# KiCad board RASBB.kicad_pcb (continued)
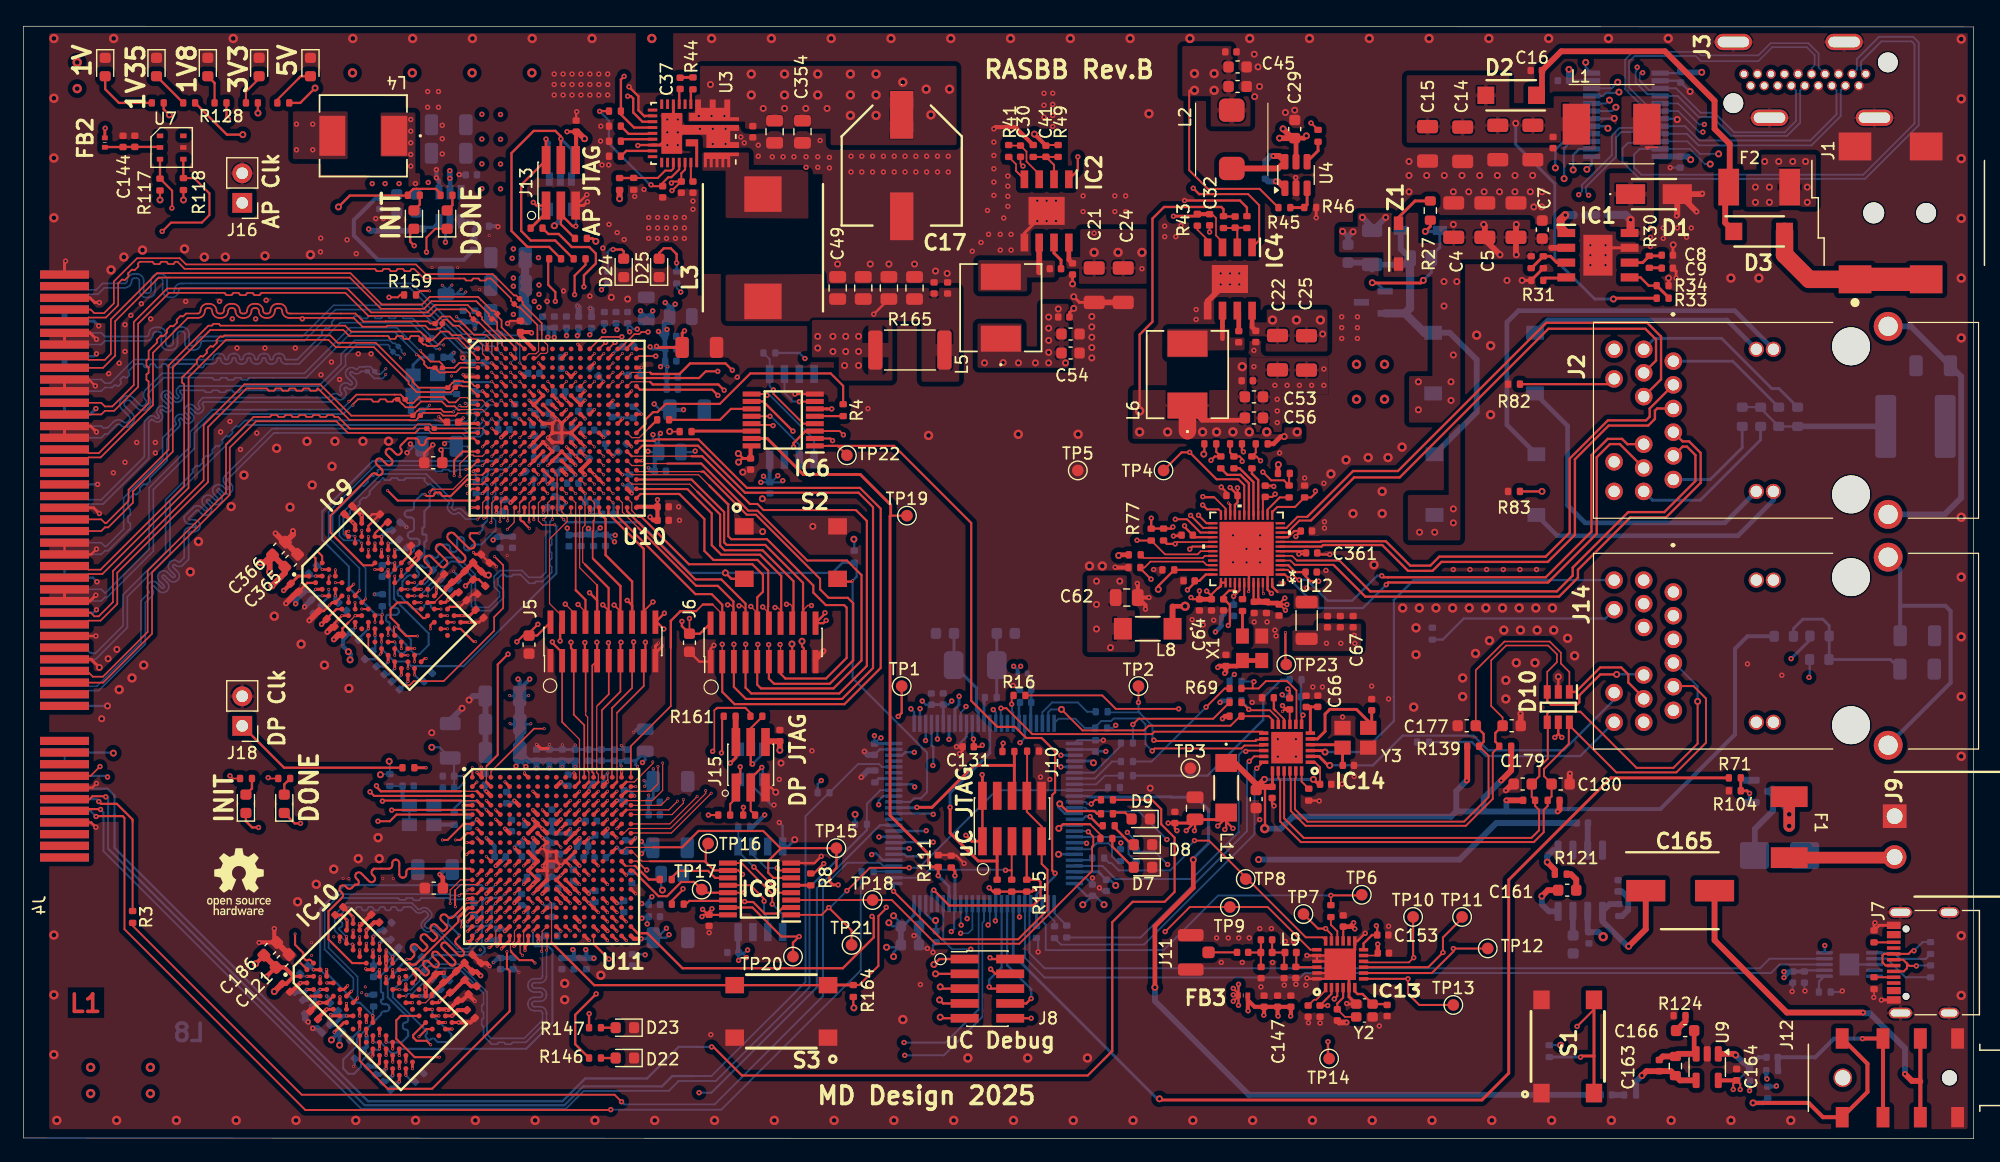
[diagram p0: board, top side]
## Routing (per net, layer and track width the routed paths; a pad name or vN(x,y) marks a point on that pad's centre or on a via; arc(x,y) is an arc through that point) (continued)
/DDR3-2/DDR301_DQ11: length 22.7
  Top w0.25: v2(25.45,13.9) IC10.C2 ; v2(41.01,16.28) 41.01,16.31 41.7,17 U11.V5
  In4.Cu w0.177: v2(41.01,16.28) 40.9,16.28 39.19,14.57 39.14,14.57 38.08,13.51 36.44,13.51 arc(36.35,13.55) 36.31,13.65 arc(36.27,13.74) 36.17,13.78 35.84,13.78 arc(35.75,13.74) 35.71,13.65 arc(35.67,13.55) 35.57,13.51 35.34,13.51 arc(35.21,13.56) 35.16,13.7 arc(35.1,13.83) 34.97,13.88 34.74,13.88 arc(34.61,13.83) 34.56,13.7 arc(34.5,13.56) 34.37,13.51 34.34,13.51 arc(34.14,13.59) 34.06,13.79 34.06,13.98 arc(33.97,14.18) 33.77,14.27 33.74,14.27 arc(33.54,14.18) 33.46,13.98 33.46,13.79 arc(33.37,13.59) 33.17,13.51 31.76,14.92 31.46,14.92 30,13.47 29.75,13.47 arc(29.55,13.55) 29.47,13.75 29.47,13.84 arc(29.38,14.04) 29.18,14.13 29.15,14.13 arc(28.95,14.04) 28.87,13.84 28.87,13.75 arc(28.78,13.55) 28.58,13.47 26.39,13.47 25.81,14.05 25.6,14.05 v2(25.45,13.9)
/DDR3-2/DDR301_DQ12: length 22.7
  Top w0.25: IC10.A7 27.13,17.3 v2(27.13,16.88) ; v2(38.1,16.91) 38.26,16.91 38.5,17.15 U11.V1
  In4.Cu w0.177: v2(27.13,16.88) 27.13,14.55 26.82,14.24 26.49,14.24 26.35,14.38 26.35,14.64 25.73,15.26 25.73,16.86 25.9,17.03 25.9,17.46 26.92,18.48 27.34,18.48 27.43,18.39 28.19,18.39 28.59,18.79 29.55,18.79 arc(29.61,18.82) 29.63,18.88 arc(29.66,18.94) 29.72,18.97 30.18,18.97 arc(30.24,18.94) 30.27,18.88 30.27,18.55 arc(30.34,18.38) 30.51,18.31 30.63,18.31 arc(30.8,18.38) 30.87,18.55 30.87,18.88 arc(30.9,18.94) 30.96,18.97 31.38,18.97 arc(31.44,18.94) 31.47,18.88 arc(31.5,18.82) 31.56,18.79 35.45,18.79 36.95,17.29 36.95,17.28 37.32,16.91 v2(38.1,16.91)
/DDR3-2/DDR301_DQ13: length 22.7
  Top w0.177: v2(23.7,15.14) 24.32,14.52 IC10.A2
  Top w0.25: U11.T3 v2(39.7,18.6)
  In4.Cu w0.177: v2(39.7,18.6) 39.31,18.99 38.03,18.99 37.76,19.26 37.76,19.66 36.89,20.53 31.32,20.53 arc(31.21,20.57) 31.16,20.69 arc(31.12,20.8) 31,20.85 30.72,20.85 arc(30.61,20.8) 30.56,20.69 arc(30.52,20.57) 30.4,20.53 30.12,20.53 arc(30.01,20.57) 29.96,20.69 arc(29.92,20.8) 29.8,20.85 29.52,20.85 arc(29.41,20.8) 29.36,20.69 arc(29.32,20.57) 29.2,20.53 26.93,20.53 23.7,17.3 v2(23.7,15.14)
/DDR3-2/DDR301_DQ14: length 22.7
  Top w0.25: IC10.B8 v2(28.28,17.89) ; U11.U3 v2(39.7,17.8)
  In1.Cu w0.1: v2(39.18,16.19) 39.69,16.7 39.83,16.7 40,16.87 40,17.5 v2(39.7,17.8)
  In4.Cu w0.177: v2(39.18,16.19) 39.22,16.19 37.62,16.19 arc(37.44,16.11) 37.36,15.93 37.36,15.48 arc(37.28,15.3) 37.1,15.22 37.07,15.22 arc(36.89,15.3) 36.81,15.48 36.81,15.93 arc(36.73,16.11) 36.55,16.19 36.12,16.62 36.08,16.62 arc(35.89,16.54) 35.82,16.36 35.82,15.91 arc(35.74,15.73) 35.55,15.65 35.53,15.65 arc(35.34,15.73) 35.27,15.91 35.27,16.36 arc(35.19,16.54) 35,16.62 34.98,16.62 arc(34.79,16.54) 34.72,16.36 34.72,15.91 arc(34.64,15.73) 34.45,15.65 34.43,15.65 arc(34.24,15.73) 34.17,15.91 34.17,16.36 arc(34.09,16.54) 33.9,16.62 33.88,16.62 arc(33.69,16.54) 33.62,16.36 33.62,15.91 arc(33.54,15.73) 33.35,15.65 33.33,15.65 arc(33.14,15.73) 33.07,15.91 33.07,16.36 arc(32.99,16.54) 32.8,16.62 32.78,16.62 arc(32.59,16.54) 32.52,16.36 32.52,16.11 arc(32.44,15.93) 32.25,15.85 32.23,15.85 arc(32.04,15.93) 31.97,16.11 31.97,16.36 arc(31.89,16.54) 31.7,16.62 31.06,16.62 30.83,16.39 30.25,16.39 30.12,16.53 29.83,16.53 29.69,16.39 29.29,16.39 28.5,17.18 28.5,17.46 28.51,17.47 28.51,17.81 28.43,17.89 v2(28.28,17.89)
/DDR3-2/DDR301_DQ15: length 22.7
  Top w0.177: v2(23.3,17.56) 23.3,16.64 23.99,15.95 arc(24.03,15.85) 23.99,15.75 arc(23.95,15.65) 23.99,15.54 24.22,15.32 arc(24.32,15.28) 24.42,15.32 arc(24.52,15.36) 24.62,15.32 IC10.A3
  Top w0.25: U11.R3 v2(39.7,19.4)
  In4.Cu w0.177: v2(39.7,19.4) 38.24,20.86 38.13,20.86 37.79,21.2 26.91,21.2 23.3,17.59 v2(23.3,17.56)
/DDR3-2/DDR301_LDM: length 26.2
  Top w0.177: IC10.E7 28.8,15.06 28.8,15.06 28.2,15.06 26.16,17.1 26.16,19.51 27.34,20.68 arc(27.42,20.89) 27.34,21.09 27.19,21.23 arc(27.11,21.43) 27.19,21.63 27.21,21.66 arc(27.41,21.74) 27.62,21.66 27.76,21.51 arc(27.96,21.43) 28.16,21.51 28.44,21.79 28.69,21.79 arc(28.77,22) 28.69,22.2 28.54,22.34 arc(28.46,22.54) 28.54,22.74 28.56,22.77 arc(28.76,22.85) 28.97,22.77 29.66,22.07 arc(29.86,21.99) 30.06,22.07 30.08,22.1 arc(30.16,22.3) 30.08,22.5 29.94,22.64 arc(29.85,22.84) 29.94,23.05 30.05,23.16 31.35,23.16 arc(31.55,23.24) 31.64,23.44 31.64,23.65 arc(31.72,23.85) 31.92,23.93 31.95,23.93 arc(32.15,23.85) 32.24,23.65 32.24,22.67 arc(32.32,22.47) 32.52,22.39 32.55,22.39 arc(32.75,22.47) 32.84,22.67 32.84,22.88 arc(32.92,23.08) 33.12,23.16 38.34,23.16 U11.L1
/DDR3-2/DDR301_LDQS_N: length 22.8
  Top w0.141: v2(38.13,21.34) 38.19,21.4 U11.N1
  Top w0.25: v2(28.66,12.07) 28.66,12.04 IC10.G3
  Bottom w0.141: v2(38.13,21.34) 37.82,21.04 37.82,20.73 37.61,20.52 36.56,20.52 36.44,20.64 34.13,20.64 arc(34.06,20.61) 34.03,20.54 arc(34,20.47) 33.93,20.44 33.53,20.44 arc(33.46,20.47) 33.43,20.54 arc(33.4,20.61) 33.33,20.64 32.88,20.64 arc(32.83,20.62) 32.8,20.56 arc(32.78,20.51) 32.73,20.49 32.28,20.49 arc(32.23,20.51) 32.2,20.56 arc(32.18,20.62) 32.13,20.64 27.34,20.64 26.17,19.47 26.17,16.38 28.66,13.9 v2(28.66,12.07)
/DDR3-2/DDR301_LDQS_P: length 23
  Top w0.1: v2(37.37,20.86) 37.51,21 38.9,21
  Top w0.25: U11.N2 38.9,21 ; v2(28.12,12.64) 27.71,12.23 IC10.F3
  Bottom w0.141: v2(37.37,20.86) 37.37,20.86 36.7,20.86 36.58,20.98 27.2,20.98 25.83,19.61 25.83,16.24 28.3,13.77 28.3,12.82 v2(28.12,12.64)
/DDR3-2/DDR301_nCAS: length 29.5
  Top w0.25: IC10.K3 29.97,10.55 v2(29.97,10.55) ; U11.M4 v2(40.5,21.8)
  Bottom w0.177: R92.1 29.99,11.29 29.99,10.57 v2(29.97,10.55) 28.85,11.67 28.53,11.67 27.42,12.78 27.42,12.79 26.12,14.09 25.87,14.09 25.45,14.51 25.45,19.68 27.51,21.74 39.28,21.74 39.56,21.46 40.16,21.46 v2(40.5,21.8)
/DDR3-2/DDR301_nCS: length 27.2
  Top w0.25: IC10.L2 v2(29.97,8.27) ; U11.U8 v2(43.7,17.8)
  Bottom w0.177: v2(29.97,8.27) 30.62,8.27 31.53,7.36 31.98,7.36 32.33,7.71 32.88,7.71 43.12,7.71 45.37,9.96 45.37,16.15 45.01,16.51 43.91,16.51 43.7,16.72 v2(43.7,17.8)
/DDR3-2/DDR301_nRAS: length 31.7
  Top w0.25: U11.P3 v2(39.7,20.2) ; IC10.J3 v2(29.41,9.97)
  In4.Cu w0.177: v2(39.7,20.2) 39.7,20.23 38.47,21.46 38.47,21.48 38.22,21.73 37.94,21.73 37.72,21.51 26.57,21.51 22.96,17.9 22.96,14.8 23.98,13.78 23.98,13.78 24.18,13.59 24.18,13.59 25.11,12.66 25.11,12.65 25.31,12.45 25.32,12.45 25.67,12.1 25.67,12.09 25.87,11.89 26.86,11.89 28.78,9.97 v2(29.41,9.97)
/DDR3-2/DDR301_nRST: length 44.6
  Top w0.25: IC10.T2 v2(32.8,5.44) ; U11.K6 v2(42.1,23.4)
  In4.Cu w0.177: v2(42.1,23.4) 41.69,22.99 35.86,22.99 35.84,23.01 35.56,23.01 35.54,22.99 27.52,22.99 22.65,18.12 22.65,13.98 23.23,13.4 23.23,10.42 29.31,4.34 32.2,4.34 32.8,4.94 v2(32.8,5.44)
  Bottom w0.177: R91.1 33.35,4.89 v2(32.8,5.44)
/DDR3-2/DDR301_nWE: length 27.6
  Top w0.25: IC10.L3 v2(30.54,8.83) ; U11.P5 v2(41.3,20.2)
  In4.Cu w0.177: v2(41.3,20.2) 40.96,19.86 40.96,17.07 41.83,16.2 41.83,15.68 39.32,13.16 33.74,13.16 33.15,12.57 32.58,12.57 31.84,11.83 arc(31.81,11.75) 31.84,11.66 arc(31.88,11.58) 31.84,11.5 31.58,11.24 arc(31.5,11.21) 31.42,11.24 31.01,11.65 arc(30.8,11.74) 30.6,11.65 30.58,11.63 arc(30.5,11.43) 30.58,11.23 30.71,11.1 arc(30.79,10.9) 30.71,10.7 28.12,8.1 28.12,8.01 28.49,7.64 28.86,7.64 29.99,8.77 30.48,8.77 v2(30.54,8.83)
/DDR3-2/DDR301_ODT: length 28.3
  Top w0.177: v2(41.47,16.05) 41.47,14.61 41.73,14.35 41.73,14.3 41.7,14.27 41.7,10.93 35.05,4.28 31.25,4.28 28.84,6.69 IC10.K1
  Top w0.25: U11.R5 v2(41.3,19.4)
  In3.Cu w0.177: v2(41.47,16.05) 41.4,16.12 41.4,16.37 40.87,16.9 40.87,17.85 41.3,18.28 v2(41.3,19.4)
/DDR3-2/DDR301_UDM: length 22.7
  Top w0.25: U11.U1 v2(38.1,17.8) ; IC10.D3 v2(26.02,13.36)
  In4.Cu w0.177: v2(38.1,17.8) 38.1,18.12 37.46,18.76 37.3,18.76 35.84,20.22 28.68,20.22 arc(28.58,20.18) 28.55,20.09 arc(28.51,19.99) 28.41,19.95 28.08,19.95 arc(27.98,19.99) 27.95,20.09 arc(27.91,20.18) 27.81,20.22 27.15,20.22 24.28,17.35 24.28,14.45 25.37,13.36 v2(26.02,13.36)
/DDR3-2/DDR301_UDQS_N: length 21.3
  Top w0.25: IC10.B7 v2(27.71,17.32) ; U11.V2 v2(38.9,17)
  Bottom w0.141: v2(27.71,17.32) 27.05,17.98 arc(27.1,18.09) 27.2,18.13 arc(27.31,18.17) 27.35,18.28 27.35,18.48 arc(27.31,18.59) 27.2,18.63 arc(27.1,18.67) 27.05,18.78 27.05,19.06 27.87,19.88 arc(27.98,19.83) 28.02,19.73 arc(28.07,19.62) 28.17,19.58 28.37,19.58 arc(28.48,19.62) 28.52,19.73 arc(28.57,19.83) 28.67,19.88 28.87,19.88 arc(28.98,19.83) 29.02,19.73 arc(29.07,19.62) 29.17,19.58 29.37,19.58 arc(29.48,19.62) 29.52,19.73 arc(29.57,19.83) 29.67,19.88 29.87,19.88 arc(29.98,19.83) 30.02,19.73 arc(30.07,19.62) 30.17,19.58 30.37,19.58 arc(30.48,19.62) 30.52,19.73 arc(30.57,19.83) 30.67,19.88 30.87,19.88 arc(30.98,19.83) 31.02,19.73 arc(31.07,19.62) 31.17,19.58 31.37,19.58 arc(31.48,19.62) 31.52,19.73 arc(31.57,19.83) 31.67,19.88 31.87,19.88 arc(31.98,19.83) 32.02,19.73 arc(32.07,19.62) 32.17,19.58 32.37,19.58 arc(32.48,19.62) 32.52,19.73 arc(32.57,19.83) 32.67,19.88 33.24,19.88 33.63,19.48 33.63,19.49 arc(33.95,19.35) 34.27,19.49 arc(34.39,19.53) 34.5,19.49 34.69,19.3 arc(34.73,19.19) 34.69,19.07 34.25,18.64 arc(34.12,18.32) 34.25,18 34.39,17.87 arc(34.71,17.74) 35.03,17.87 arc(35.14,17.92) 35.25,17.87 36.44,16.68 36.44,16.68 37.1,16.03 38.32,16.03 38.9,16.61 v2(38.9,17)
/DDR3-2/DDR301_UDQS_P: length 21.4
  Top w0.25: IC10.C7 28.28,16.62 v2(28.21,16.69) ; U11.U2 v2(38.9,17.8)
  Bottom w0.141: v2(28.21,16.69) 27.86,16.69 26.71,17.84 26.71,19.2 27.73,20.22 33.31,20.22 33.84,19.69 arc(33.95,19.64) 34.07,19.69 arc(34.39,19.82) 34.71,19.69 34.89,19.51 arc(35.03,19.19) 34.89,18.87 34.46,18.43 arc(34.41,18.32) 34.46,18.21 34.59,18.08 arc(34.71,18.03) 34.82,18.08 arc(35.14,18.21) 35.46,18.08 37.24,16.29 38.1,16.29 38.42,16.62 38.42,17.32 v2(38.9,17.8)
/DDR3-2/VREF_DDR3: length 11.8
  Top w0.1: IC10.M8 34.49,11.66 35.02,12.19 35.02,12.21
  Top w0.25: IC10.H1 27.5,9.97 v2(26.66,9.13)
  Top w0.35: 35.02,12.21 35.02,12.4 C100.1 36.17,13.4 R94.2 37.12,14.38 C107.1 37.84,15.01 R95.1
  Top w0.4: v4(39.22,13.98) 38.87,14.33 R95.1
  Bottom w0.35: C99.1 27.12,8.91 v1(27.12,8.02) ; C99.1 27.34,9.13 v2(26.66,9.13) ; C99.1 27.08,9.13 v1(26.42,8.47)
/DEBUG_A0: length 27.9
  Top w0.1: U11.B12 47.69,30.59 47.69,34.25 46.52,35.42 ; U10.T10 v2(46.57,55.34)
  Top w0.141: J5.3 46.2,35.74 46.52,35.42
  Top w0.186: J5.3 46.2,41.7 45.36,42.54 v4(45.36,42.61)
  Top w0.25: U11.B12 47.7,30.6
  In4.Cu w0.2: v4(45.36,42.61) 45.36,43.25 45.96,43.85 45.96,54.73 v2(46.57,55.34)
/DEBUG_A1: length 24.7
  Top w0.1: U10.T11 v2(47.37,55.34)
  Top w0.141: U11.A13 48.1,35.47 47.19,36.38 47.2,36.39 J5.5
  Top w0.186: v4(46.96,42.58) 46.96,42.08 47.2,41.84
  In4.Cu w0.2: v2(47.37,55.34) 47.37,46.4 46.97,46 46.97,42.59 v4(46.96,42.58)
/DEBUG_A2: length 27.8
  Top w0.1: 48.22,36.65 48.22,36.33 48.39,36.17 48.39,31.55 48.5,31.44 48.5,30.6 U11.B13 ; U10.R12 v2(48.17,56.14)
  Top w0.141: 48.22,36.65 48.22,40.98
  Top w0.186: v4(48.15,42.56) 48.15,41.05
  Top w0.25: U11.B13 48.5,30.6
  In4.Cu w0.177: 48.56,55.76 48.55,55.76 v2(48.17,56.14)
  In4.Cu w0.186: v4(48.15,42.56) 47.97,42.74 47.97,45.58 48.02,45.63 48.02,46.01 47.97,46.06 47.97,53.89
  In4.Cu w0.2: 47.97,53.89 48.56,54.48 48.56,55.76
/DEBUG_A3: length 25.3
  Top w0.1: U10.T13 v2(48.97,55.34)
  Top w0.141: U11.A14 48.9,31.33 48.79,31.45 48.79,40.59 J5.9
  Top w0.186: v4(49.18,42.58) 49.2,42.56 J5.9
  In4.Cu w0.141: 49.08,42.68 49.08,46.9 48.92,47.06 48.92,55.29 v2(48.97,55.34)
  In4.Cu w0.186: v4(49.18,42.58) 49.08,42.68
/DEBUG_A4: length 28.2
  Top w0.1: 49.31,37.23 49.17,37.09 49.17,31.39 49.31,31.25 49.31,30.61 U11.B14 ; U10.R13 v2(48.97,56.14)
  Top w0.141: J5.11 50.2,38.12 49.31,37.23
  Top w0.186: J5.11 50.2,42.51 v4(50.17,42.54)
  Top w0.25: U11.B14 49.3,30.6
  In4.Cu w0.1: 50.01,53.05 50.01,54.39 49.39,55.01 49.39,55.73 49.33,55.79
  In4.Cu w0.186: v4(50.17,42.54) 50.17,48.71 50.01,48.87 50.01,53.05 ; 49.33,55.79 48.98,56.14 v2(48.97,56.14)
/DEBUG_A5: length 27.3
  Top w0.1: U10.T14 v2(49.77,55.34)
  Top w0.141: 49.61,31.09 49.61,36.76 51.2,38.35 J5.13
  Top w0.186: J5.13 51.2,42.53 v4(51.25,42.58)
  In4.Cu w0.186: 51.28,55.22 51.28,49.69 51.22,49.63 51.22,46.33 51.25,46.3 v4(51.25,42.58)
  In4.Cu w0.2: 51.28,55.22 50.81,55.69 50.12,55.69 v2(49.77,55.34)
/DEBUG_A6: length 28.4
  Top w0.1: U10.P14 v2(49.77,56.94)
  Top w0.141: 50.47,31.03 50.47,36.93 52.2,38.66 J5.15
  Top w0.186: v4(52.33,42.61) 52.33,41.13
  In3.Cu w0.1: 50.06,53.41 49.42,54.05 49.42,56.52
  In3.Cu w0.186: v2(49.77,56.94) 49.42,56.59 49.42,56.52 ; 50.06,53.41 51.31,52.16 51.31,43.63 v4(52.33,42.61)
/DEBUG_A7: length 27.9
  Top w0.1: 50.91,30.56 50.91,31.65 50.9,31.66 50.9,36.53 ; U10.T15 v2(50.57,55.34)
  Top w0.141: 50.9,36.53 53.2,38.83 J5.17
  Top w0.186: v4(53.34,42.58) 53.34,41.14
  Top w0.25: U11.B16 50.9,30.6
  In3.Cu w0.186: v2(50.57,55.34) 51.8,54.11 51.8,52.69 53.34,51.15 v4(53.34,42.58)
/DEBUG_D0: length 26.4
  Top w0.1: 46.2,44.82 45.12,45.9 45.12,51.43 46.63,52.94 46.63,53.31 46.17,53.77 U10.V10
  Top w0.2: v4(46.03,42.69) 46.03,44.13 J5.4
  Top w0.25: U11.C12 v2(47.7,29.8)
  In4.Cu w0.2: v4(46.03,42.69) 46.03,42.02 47.7,40.35 v2(47.7,29.8)
/DEBUG_D1: length 28.4
  Top w0.1: 47.2,45.12 v4(46.47,45.85) ; v2(46.94,53.57) 46.94,54.11 ; U11.D12 v2(47.7,29)
  Top w0.25: U11.D12 v2(47.7,29)
  In4.Cu w0.1: v4(46.47,45.85) 46.53,45.79 46.53,41.94 46.61,41.86 ; v2(46.94,53.57) 47.04,53.47 47.04,51.84 46.77,51.57 46.77,51.54 ; v2(47.7,29) 48.14,29.44
  In4.Cu w0.141: 48.14,29.44 48.14,40.33 46.61,41.86
  In4.Cu w0.177: v4(46.47,45.85) 46.47,51.24 46.77,51.54
/DEBUG_D2: length 31
  Top w0.1: 47.36,53.04 47.36,54.53 47.37,54.54 U10.U11 ; 48.2,45.19 v4(47.57,45.82) ; U11.D13 v2(48.5,29)
  Top w0.141: 47.36,53.04 47.36,47.06
  Top w0.186: J5.8 48.2,46.22 47.44,46.97
  Top w0.2: 47.36,47.06 47.44,46.97
  Top w0.25: U11.D13 v2(48.5,29)
  In4.Cu w0.1: 48.92,40.07 48.92,40.58 47.58,41.92 47.58,45.81 v4(47.57,45.82)
  In4.Cu w0.141: v2(48.5,29) 48.92,29.42 48.92,31.31 48.6,31.64 48.6,39.75 48.92,40.07
/DEBUG_D3: length 31.1
  Top w0.1: 47.7,54.07 47.7,48.98 49.2,47.48
  Top w0.186: 49.2,47.48 J5.10
  Top w0.2: J5.10 49.2,46.18 v4(48.55,46.83)
  Top w0.25: U11.C14 v2(49.3,29.8)
  In4.Cu w0.2: v4(48.55,46.83) 48.72,46.66 48.72,42.62 48.72,42.61 48.72,42.39 49.3,41.81 v2(49.3,29.8)
/DEBUG_D4: length 31.7
  Top w0.1: 48.16,49.26 47.96,49.46 47.96,52.42 48.16,52.62 48.16,54.55 U10.U12 ; U11.D14 v2(49.3,29)
  Top w0.141: v4(49.69,45.79) 50.2,45.28 J5.12
  Top w0.186: 50.19,44.31 50.19,47.23 48.16,49.26
  Top w0.25: U11.D14 v2(49.3,29)
  In4.Cu w0.1: v2(49.3,29) 49.79,29.49 49.79,31.76 49.69,31.86 v4(49.69,45.79)
/DEBUG_D5: length 29.8
  Top w0.1: U10.U13 48.97,54.54 48.97,53.07
  Top w0.141: 48.97,53.07 48.89,52.99 48.89,52.16 48.82,52.1 48.82,49.78 48.89,49.71 ; 51.2,45.23 v4(50.66,45.77)
  Top w0.2: 48.89,49.71 51.2,47.4 J5.14
  Top w0.25: U11.C15 v2(50.1,29.8)
  In4.Cu w0.1: 50.11,40.21 50.11,41.25 50.6,41.74 50.6,45.71 v4(50.66,45.77)
  In4.Cu w0.141: v2(50.1,29.8) 50.1,30.08 50.62,30.6 50.62,39.7 50.11,40.21
/DEBUG_D6: length 31.5
  Top w0.2: U10.V14 49.37,53.72 49.93,53.16 49.93,50.06 52.2,47.79 J5.16 52.2,45.75 v4(51.78,46.17)
  Top w0.25: U11.D15 v2(50.1,29)
  In4.Cu w0.2: v4(51.78,46.17) 51.72,46.11 51.72,41.15 50.92,40.35 50.92,30.35 50.55,29.98 50.55,29.45 v2(50.1,29)
/DEBUG_D7: length 31.8
  Top w0.1: U11.C16 v2(50.9,29.8)
  Top w0.141: J5.18 53.2,45.25 v4(53.99,46.04)
  Top w0.2: U10.V15 50.17,53.62 53.2,50.59 J5.18
  Top w0.25: U11.C16 v2(50.9,29.8)
  In4.Cu w0.1: 51.61,30.53 51.61,40.24 53.97,42.59 53.97,46.02 v4(53.99,46.04)
  In4.Cu w0.141: 51.61,30.53 50.9,29.82 v2(50.9,29.8)
/DEBUG_D8: length 34.6
  Top w0.1: 59.1,45.82 59.93,44.99
  Top w0.141: 58.28,45.82 58.26,45.82 57.69,45.25 ; 55.52,42.12 55.52,37.1 52.09,33.67 52.09,31.01
  Top w0.186: J6.4 59.93,45.8 59.02,46.71 57.63,46.71 50.97,53.37 U10.V16
  Top w0.2: 55.52,42.12 55.52,44.42 56.35,45.25 57.69,45.25 ; 58.28,45.82 59.1,45.82
/DEBUG_D9: length 38.1
  Top w0.1: v4(60.4,45.79) 60.64,45.79 60.93,45.5 J6.6 ; U10.U16 51.37,54.54 51.37,53.75 52.71,52.41
  Top w0.141: v2(52.51,30.2) U11.B18
  Top w0.186: 60.89,44.26 60.89,46.08 59.55,47.42 57.7,47.42 52.71,52.41
  In4.Cu w0.141: v2(52.51,30.2) 52.51,31.07 53.52,32.09 53.52,32.44 53.32,32.64 53.32,40.17 58.52,45.37 59.98,45.37 v4(60.4,45.79)
/DEBUG_D10: length 38.6
  Top w0.1: J6.8 61.93,45.4 61.62,45.71 v4(61.37,45.71) ; 51.7,30.6 52.39,30.6 53.97,32.18 v2(53.97,32.32)
  Top w0.186: J6.8 61.93,45.89 59.85,47.97 57.62,47.97 51.77,53.82 U10.V17
  Top w0.25: U11.B17 51.7,30.6
  In4.Cu w0.141: v4(61.37,45.71) 60.73,45.07 58.71,45.07 53.97,40.33 v2(53.97,32.32)
/DEBUG_D11: length 43.4
  Top w0.1: 52.72,53.33 52.17,53.88 52.17,54.54 U10.U17 ; v2(54.42,31.93) 54.42,30.44 53.78,29.8 51.7,29.8 ; 62.93,45.1 v4(62.38,45.65)
  Top w0.186: 52.72,53.33 53.01,53.33 57.07,49.27 62.52,49.27 63.42,48.37 63.42,46.92 62.93,46.43 J6.10
  Top w0.25: U11.C17 51.7,29.8
  In4.Cu w0.141: v2(54.42,31.93) 54.42,40.22 58.9,44.7 61.43,44.7 v4(62.38,45.65)
/DEBUG_D12: length 46.1
  Top w0.1: 51.7,29 53.95,29 54.82,29.87 v2(54.82,32.22) ; 63.93,45.08 v4(63.4,45.61)
  Top w0.186: 63.85,44.3 63.85,45.64 63.87,45.66 63.87,48.72 62.95,49.64 59.18,49.64 58.4,50.41 58.4,53.15 56.25,55.3 52.93,55.3 U10.U18
  Top w0.25: U11.D17 51.7,29
  In4.Cu w0.141: v2(54.82,32.22) 54.77,32.27 54.77,40.03 59.12,44.38 62.17,44.38 v4(63.4,45.61)
/DEBUG_D13: length 51.5
  Top w0.1: J6.14 64.93,45.31 64.68,45.56 v4(64.46,45.56) ; U11.E15 v2(50.1,28.2)
  Top w0.186: 64.99,44.28 64.99,48.27 63.17,50.09 59.85,50.09 59.03,50.91 59.03,53.63 56.94,55.72 52.59,55.72 U10.T18
  Top w0.25: U11.E15 v2(50.1,28.2)
  In4.Cu w0.141: v4(64.46,45.56) 62.87,43.97 59.17,43.97 55.21,40.01 55.21,29.73 54.09,28.61 50.51,28.61 v2(50.1,28.2)
/DEBUG_D14: length 52.2
  Top w0.1: 52.11,28.59 54.67,28.59 v2(55.28,29.2) ; v4(65.44,45.84) 65.75,45.84 65.93,45.66 J6.16 ; 57.8,55.49 57.15,56.14 52.17,56.14 U10.R17
  Top w0.186: 57.8,55.49 59.75,53.54 59.75,50.86 60.15,50.47 63.39,50.47 66.04,47.82 66.04,44.33
  In4.Cu w0.141: v2(55.28,29.2) 55.59,29.51 55.59,39.99 59.12,43.52 64.2,43.52 65.29,44.61 65.29,45.69 v4(65.44,45.84)
/DEBUG_D15: length 56.4
  Top w0.1: v4(67.58,45.73) 67.57,45.74 67.26,45.74 66.93,45.41 J6.18 ; U11.E16 v2(50.9,28.2)
  Top w0.186: U10.R18 57.3,56.54 60.09,53.74 60.09,51.14 60.31,50.93 63.61,50.93 66.86,47.68 66.86,45.71 66.85,45.7 66.85,44.29
  Top w0.25: U11.E16 v2(50.9,28.2)
  In4.Cu w0.1: v2(50.9,28.2) 54.78,28.2
  In4.Cu w0.141: 54.78,28.2 55.92,29.34 55.92,39.77 59.3,43.15 65.53,43.15 67.68,45.3 67.68,45.63 v4(67.58,45.73)
/DEBUG_D16: length 77.1
  Top w0.1: J6.3 v4(59.93,42.41) ; v2(56.09,28.95) 56.09,28.94 55.35,28.2 51.7,28.2
  Top w0.186: U10.L18 52.69,59.86 54.1,59.86 54.22,59.98 57.88,59.98 62.04,55.82 71.74,55.82 73.52,54.04 73.52,40.38 70.41,37.27 60.99,37.27 59.93,38.33 J6.3
  Top w0.25: U11.E17 51.7,28.2
  In4.Cu w0.141: 59.87,41.72 59.93,41.79 ; 59.93,41.79 v4(59.93,42.41) ; 59.93,41.79 59.78,41.79 56.21,38.22 56.21,29.07 v2(56.09,28.95)
/DEBUG_D17: length 74
  Top w0.1: v2(56.6,29.09) 56.6,28.78 55.62,27.8 U11.E18 ; J6.5 v4(60.93,42.41)
  Top w0.186: U10.M18 53.07,59.44 57.85,59.44 61.88,55.41 71.62,55.41 72.86,54.17 72.86,40.37 70.21,37.72 61.96,37.72 60.93,38.75 J6.5
  In4.Cu w0.1: 56.61,29.18 56.6,29.17 v2(56.6,29.09)
  In4.Cu w0.141: 56.61,29.18 56.61,38.09 59.98,41.46 60.19,41.46 60.93,42.2 v4(60.93,42.41)
/DEBUG_D18: length 75.2
  Top w0.1: v4(61.94,42.41) 61.93,42.4 J6.7 ; 52.17,58.54 57.3,58.54 57.31,58.53 ; U11.F15 v2(50.1,27.4)
  Top w0.177: 71.46,53.86 71.4,53.92 63.47,53.92 62.94,54.44 62.29,54.44
  Top w0.186: J6.7 61.93,38.68 62.42,38.19 69.97,38.19 72.33,40.55 72.33,52.98 71.46,53.86 ; 62.29,54.44 58.21,58.53 57.31,58.53
  Top w0.2: 52.17,58.54 U10.M17
  Top w0.25: U11.F15 v2(50.1,27.4)
  In4.Cu w0.1: 50.5,27.79 55.98,27.79
  In4.Cu w0.141: v2(50.1,27.4) 50.5,27.79 ; 55.98,27.79 56.95,28.76 56.95,37.66 61.7,42.41 v4(61.94,42.41)
/DEBUG_D19: length 69
  Top w0.1: U10.N17 52.17,57.74 53.13,57.74 53.3,57.91 55.22,57.91
  Top w0.141: J6.9 62.98,40.97 v4(62.98,42.4)
  Top w0.177: 62.17,53.87 62.94,53.87 67.22,49.59 70.62,49.59 71.34,48.87
  Top w0.186: 62.17,53.87 58.13,57.91 55.22,57.91 ; 71.34,48.87 71.87,48.34 71.87,41.02 69.47,38.62 63.25,38.62 62.93,38.94 J6.9
  Top w0.25: U11.F16 v2(50.9,27.4)
  In4.Cu w0.141: v4(62.98,42.4) 62.86,42.4 60.99,40.53 60.65,40.53 57.45,37.33 57.45,28.88 55.97,27.4 v2(50.9,27.4)
/DEBUG_D20: length 64
  Top w0.1: U10.P18 52.69,57.22 58.15,57.22 ; v2(57.78,29.35) 55.43,27 U11.F18 ; J6.11 63.93,42.36 v4(63.91,42.38)
  Top w0.177: 68.32,47.17 68.32,48.02 62.82,53.52 62.03,53.52 61.66,53.89
  Top w0.186: J6.11 63.93,39.46 64.37,39.02 69.15,39.02 71.16,41.03 71.16,45.93 70.7,46.39 69.05,46.39 68.32,47.12 68.32,47.17 ; 58.15,57.22 58.33,57.22 61.66,53.89
  In4.Cu w0.141: v2(57.78,29.35) 57.78,37.23 60.25,39.7 63.5,39.7 63.91,40.11 v4(63.91,42.38)
/DEBUG_D21: length 66.8
  Top w0.1: J6.13 64.93,42.35 v4(64.89,42.39) ; 58.82,56.02 57.89,56.95 52.16,56.95 U10.P17
  Top w0.177: 64.02,51.17 63.77,51.42 60.69,51.42 60.44,51.67 60.44,54.42
  Top w0.186: 64.02,51.17 67.74,47.45 67.74,46.84 68.81,45.77 70.38,45.77 70.6,45.55 70.6,41.24 68.83,39.47 65.34,39.47 64.93,39.88 J6.13
  Top w0.2: 60.44,54.42 60.42,54.42 58.82,56.02
  Top w0.25: U11.G16 v2(50.9,25.8)
  In4.Cu w0.141: v4(64.89,42.39) 64.91,42.37 64.91,39.84 64.31,39.24 60.49,39.24 58.12,36.87 58.12,28.75 56.52,27.15 56.11,27.15 56.09,27.13 54.42,27.13 54.35,27.06 52.16,27.06 v2(50.9,25.8)
/DEBUG_D22: length 56.4
  Top w0.1: U10.N14 v2(49.77,57.74) ; U11.G17 51.5,26.2 51.91,26.61 55.5,26.61 58.51,29.62 v2(58.51,29.86)
  Top w0.186: v1(65.91,42.43) 65.93,42.41 J6.15
  In3.Cu w0.186: v1(65.91,42.43) 65.91,50.6 58.62,57.89 53.45,57.89 53.3,57.74 v2(49.77,57.74)
  In4.Cu w0.141: v2(58.51,29.86) 58.51,36.56 60.79,38.84 64.88,38.84 65.95,39.91 65.95,42.39 v1(65.91,42.43)
/DEBUG_D23: length 57.9
  Top w0.1: U10.M14 v2(49.77,58.54) ; 52.12,26.22 55.57,26.22 v2(58.98,29.63)
  Top w0.186: v1(66.77,42.67) 66.77,42.21 66.93,42.05 J6.17
  In3.Cu w0.1: 54.57,58.42 54.44,58.55 51.89,58.55 51.54,58.2 50.2,58.2
  In3.Cu w0.186: v2(49.77,58.54) 50.11,58.2 50.2,58.2 ; v1(66.77,42.67) 66.77,50.64 58.99,58.42 54.57,58.42
  In4.Cu w0.141: v1(66.77,42.67) 66.74,42.64 66.74,39.13 65.48,37.87 61.25,37.87 60.31,36.93 60.31,32.93 58.98,31.6 v2(58.98,29.63)
/Ethernet_FPGA/G_ETH_CLK: length 1.3
  Top w0.17: U12.42 104.69,46.43
/Ethernet_FPGA/G_ETH_RESET: length 72.7
  Top w0.1: 40.68,32.06 40.1,31.48 U11.A3
  Top w0.141: 40.68,32.06 43.79,35.17 v2(44.67,35.17) ; 101.97,51.17 98.92,51.17 v4(98.77,51.02)
  Top w0.2: R107.2 98.06,51.02 v4(98.77,51.02)
  In3.Cu w0.141: 59.32,35.17 59.22,35.27 44.77,35.27 v2(44.67,35.17)
  In3.Cu w0.177: v4(98.77,51.02) 98.4,51.02 97.19,52.23 88.33,52.23 71.32,35.22 59.37,35.22 59.32,35.17
/Ethernet_FPGA/LED_GR_ETH: length 55.7
  Top w0.141: U12.34 101.48,49.19 101.17,49.5 96.65,49.5 96.14,48.99 R74.2
  Top w0.17: 95.78,48.91 v4(96.7,47.99)
  In3.Cu w0.17: v4(96.7,47.99) 101.62,47.99 104.81,51.19 116.04,51.19 132.56,67.71 J2.17
/Ethernet_FPGA/LED_YL_ETH: length 54.2
  Top w0.2: U12.35 R76.2 97.32,47.42 v1(97.32,47.12)
  In3.Cu w0.2: v1(97.32,47.12) 97.32,45.12 100.02,42.42 108.02,42.42 123.66,58.06 J2.19
/Ethernet_FPGA/MDI0_N: length 42.1
  Top w0.17: v4(109.4,47.93) 109.28,47.93 108.43,48.79 U12.2
  Top w0.2: J2.10 137.54,59.57 137.09,60.02 135.86,60.02 134.47,58.63 134.47,52.07 130.55,48.15 116.61,48.16 v4(116.48,48.28)
  Bottom w0.2: v4(109.4,47.93) 110.06,47.93 111.84,46.14 113.94,46.14 116.09,48.28 v4(116.48,48.28)
/Ethernet_FPGA/MDI0_P: length 43.4
  Top w0.17: v4(108.56,48.01) 108.18,48.39 U12.1
  Top w0.2: v4(116.87,47.52) 117.02,47.67 117.02,47.7 130.73,47.7 130.99,47.96 130.81,47.78 134.91,51.89 134.91,58.45 136.04,59.57 136.9,59.57 J2.11
  Bottom w0.2: v4(108.56,48.01) 111.06,45.51 114.87,45.51 v4(116.87,47.52)
/Ethernet_FPGA/MDI1_N: length 45.9
  Top w0.141: U12.5 108.81,49.99 109.2,49.59
  Top w0.177: 113.65,48.79 112.84,49.59 109.2,49.59
  Top w0.2: J2.5 142.27,59.36 142.65,59.36 143.38,58.63 143.38,56.41 140.72,53.74 137.62,53.74 132.85,48.98 132.85,48.3 131.5,46.94 115.5,46.94 113.65,48.79
/Ethernet_FPGA/MDI1_P: length 47.4
  Top w0.141: U12.4 108.65,49.59 109.02,49.22
  Top w0.17: 112.47,49.09 112.34,49.22 109.02,49.22
  Top w0.2: J2.4 142.27,59.81 142.84,59.81 143.83,58.82 143.83,56.26 140.87,53.29 137.8,53.29 133.31,48.8 133.31,48.12 131.68,46.49 115.07,46.49 112.47,49.09
/Ethernet_FPGA/MDI2_N: length 45.1
  Top w0.17: 108.77,51.19 U12.8
  Top w0.2: J2.2 139.46,62.63 139.46,61.92 139.15,61.61 135.88,61.61 132.59,58.33 132.59,51.98 130.54,49.92 121.42,49.92 120.65,49.15 118.92,49.15 116.83,51.25 111.31,51.25 111.25,51.19 108.77,51.19
/Ethernet_FPGA/MDI2_P: length 44.7
  Top w0.17: U12.7 107.8,50.78
  Top w0.2: J2.3 140.09,62.63 139.91,62.44 139.91,61.74 139.33,61.16 135.94,61.16 133.04,58.27 133.04,51.8 130.72,49.47 121.6,49.47 120.83,48.7 118.74,48.7 116.52,50.92 111.44,50.92 111.31,50.79 U12.7
